# Allegro board controller_layout.brd (continued)
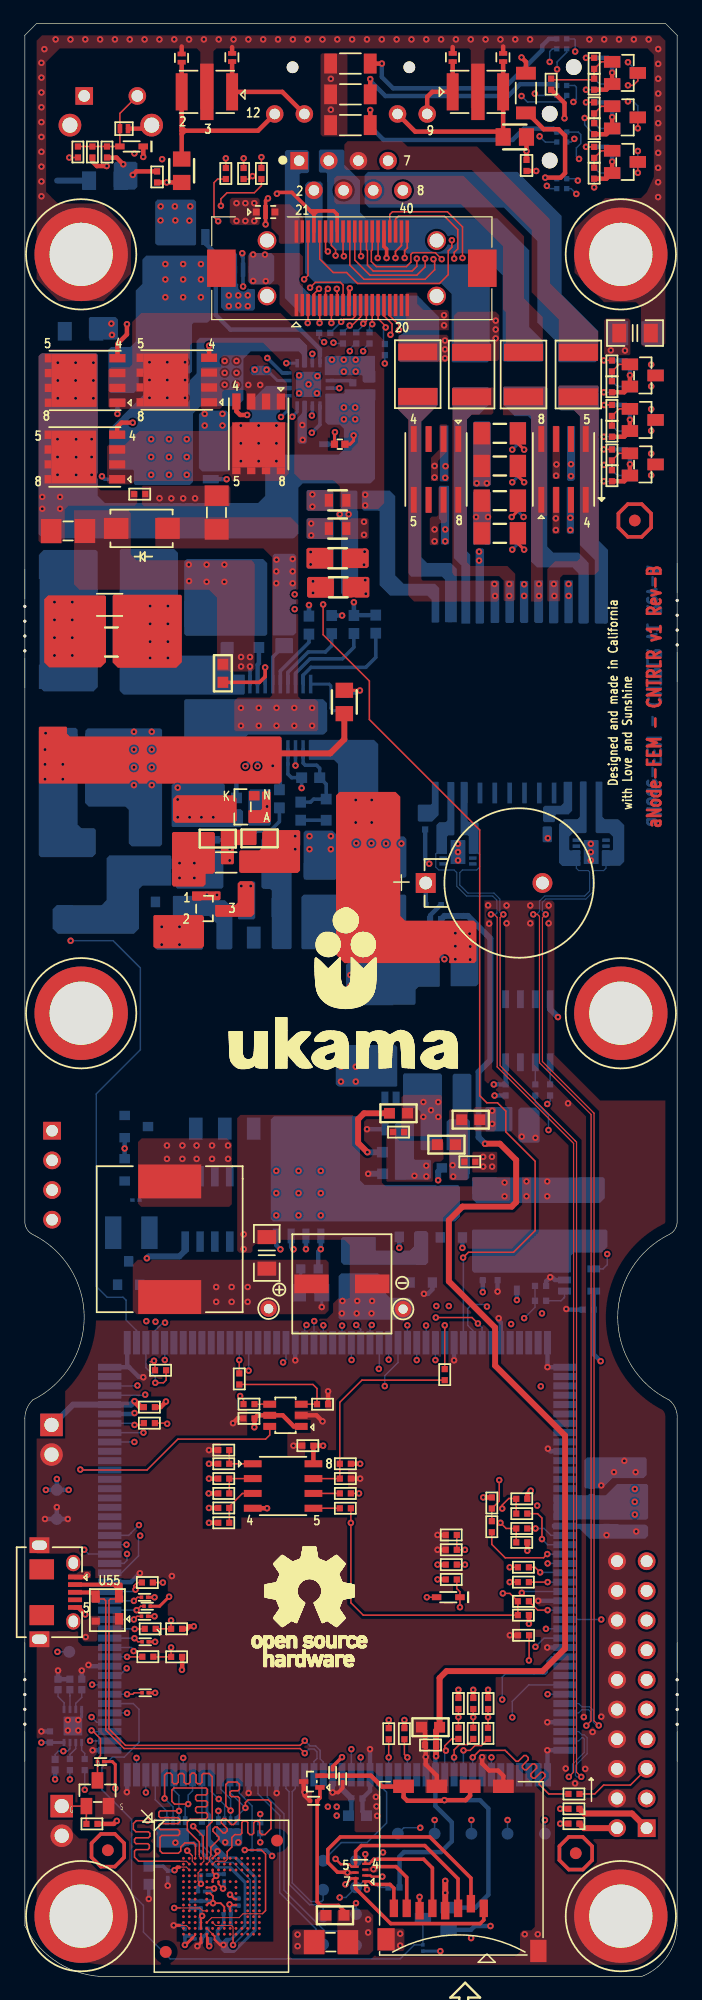
[diagram p0: board, top side]
## Nets (continued)
N17063605: R10800.2 U17.100(PA26)
N19998964: C58.1 C60.1 U7.C2(VDDI)
N20071633: R124.1 U15.5(SDA)
N20071656: R125.1 U15.6(SCL)
N20073323: D9.K J5.15 R67.2
N20073327: J5.17 R65.2
N20073333: J5.1 R93.1
N20073375: J5.2 R94.1
N20073427: J5.11 R77.1
N20073459: C17.1 J5.19 R64.1
N20187115: J1.26 R15.2
N20187119: J1.27 R16.2
N42831088: R66.2 U17.23(PD02)
N42831090: R68.2 U17.24(PD03)
N43233287: TP12.1(TP) U17.61(CLK_AUDIO)
N167577870: R140.1 U17.80(PA00)

Pads without a net: D8 N; D14 N; D15 N; D17 1 2; D18 N; D20 N; D21 N; D22 N; J1 18 19 PC1 PC2 PC3 PC4; J2 4; J5 3; NOREF 1; NOREF#2 1; NOREF#7 1; NOREF#10 1; NOREF#12 1; NOREF#13 1; T1 16 17 18 19 20 21; T2 3 8; U1 3 6; U2 3 6; U7 A1 A2 A7 A8 A9 A10 A11 A12 A13 A14 B1 B7 B8 B9 B10 B11 B12 B13 B14 C1 C3 C5 C7 C8 C9 C10 C11 C12 C13 C14 D1 D2 D3 D4 D12 D13 D14 E1 E2 E3 E5 E8 E9 E10 E12 E13 E14 F1 F2 F3 F10 F12 F13 F14 G1 G2 G3 G10 G12 G13 G14 H1 H2 H3 H5 H12 H13 H14 J1 J2 J3 J12 J13 J14 K1 K2 K3 K6 K7 K10 K12 K13 K14 L1 L2 L3 L12 L13 L14 M1 M2 M3 M7 M8 M9 M10 M11 M12 M13 M14 N1 N3 N6 N7 N8 N9 N10 N11 N12 N13 N14 P1 P2 P7 P8 P9 P10 P11 P12 P13 P14; U9 3 6; U10 3 6; U12 4 5 6 7; U13 4 5 6 7; U15 1 2 3 7; U17 2 3 4 5 6 7 8 9 11 12 13 14 33 34 44 45 46 47 48 57 59 113 114 115 116 117 118 120 121 129 135 136 137 138 139 140 141 142 145 146 147 150 151 153 155 170 172 173 174 175

## Via types
v1: diameter 0.559, hole 0.254, TOP to BOTTOM, 887 vias

## Routing (per net, layer and track width the routed paths; a pad name or vN(x,y) marks a point on that pad's centre or on a via; arc(x,y) is an arc through that point)
GND: length 192.4
  TOP w0.083: 13.26,4.39 13.26,4.39 13.84,4.39 U7.N2 ; v1(15.08,7.95) 14.84,8.19 14.84,8.89 U7.C4 ; 16.26,10.31 U7.A6 ; U7.N5 U7.P6
  TOP w0.127: 15.09,3.37 U7.P4
  TOP w0.152: v1(17.57,7.02) 17.96,6.64 U7.H10 ; v1(16.12,6.29) 16.12,6.89 15.88,7.13 U7.G5 ; v1(16.12,6.29) 15.74,6.29 U7.J5 ; v1(16.12,6.29) 16.77,6.29 17.09,5.98 U7.K8 ; 16.39,10.44 16.26,10.31 ; U7.E7 16.59,7.93 v1(16.98,7.54) ; 15.09,3.32 15.09,3.37 ; U7.P6 16.26,3.47 16.26,3.18
  TOP w0.198: v1(30.62,8.57) 29.7,8.57 29.61,8.66 U6.2
  TOP w0.203: 16.26,3.18 16.72,2.71 v1(17.01,2.71) ; 16.39,10.44 16.51,10.55 v1(16.51,10.74)
  TOP w0.254: v1(12.75,4.39) 13.26,4.39 ; v1(14.78,2.61) 15.09,2.92 15.09,3.32
  TOP w0.305: v1(30.99,147.17) 30.99,147.93 30.76,148.16 J1.36 ; 24.76,150.9 J1.24 ; 24.76,150.9 25.07,151.2 ; 24.76,150.9 24.46,151.2 ; 24.46,151.2 22.88,152.78 21.7,152.78 v1(21.59,152.67) ; 24.46,151.2 25.07,151.2 ; J1.10 27.79,143.17 27.79,144.53 v1(27.84,144.58) ; 25.07,151.2 26.46,151.2 26.76,150.9 J1.28 ; v1(26.36,15.77) 26.84,15.77 27.23,16.15 R91.1 ; v1(20.83,152.27) 20.62,152.07 C6.2 20.62,150.05 v1(20.62,150.04) ; CN1.6 v1(33.81,6.83)
  TOP w0.381: v1(50.31,155.42) Q3.S 49.82,153.96 R14.2 ; R26.2 51.34,128.05 Q10.S v1(51.83,129.51) ; v1(51.83,133.32) Q7.S 51.34,131.86 R21.2 ; U3.2 24.98,48.07 v1(25.5,47.55) ; R53.2 v1(15.75,41.38) ; C17.2 v1(35.35,37.82) ; v1(9.25,154.28) 9.55,154.59 C5.2 ; R8.2 49.82,157.77 Q2.S v1(50.31,159.23) ; C3.1 7.86,155.77 v1(8.43,155.19) ; U4.4 v1(20.75,40.11) ; C18.2 34.28,21.06 C19.2 34.34,19.77 v1(34.34,18.82) 34.34,18.16 35.29,17.2 CN1.11 ; R3.2 49.82,161.58 Q1.S v1(50.31,163.04) ; D5.2 10.56,158.24 S1.4 ; C20.2 23.97,15.52 v1(23.97,15.77) 23.88,15.86 D10.3 ; R48.2 v1(15.77,45.09) ; v1(5.17,31.01) 4.57,31.62 J2.5 ; R19.2 51.34,135.67 Q4.S v1(51.83,137.13) ; v1(17.83,47.39) 18.24,47.8 C15.1 ; C4.2 v1(43.81,154.62) ; C16.2 v1(23.01,45.47) ; R64.2 v1(35.35,36.55) ; R83.2 v1(38.41,24.56) ; R52.2 v1(28.72,42.65) ; v1(39.17,18.79) 39.17,18.25 39.77,17.65 40.54,17.65 40.99,17.19 CN1.12 ; R77.2 v1(41.55,29.23) ; R45.2 v1(25.98,50.12) ; R57.2 v1(15.77,40.13)
  L2-GND w0.762: J2.6 2.48,36.94 ; J2.7 2.76,28.89
  BOTTOM w0.254: v1(4.57,21.97) 4.59,21.97 4.86,22.25 U18.4
  BOTTOM w0.305: v1(14.78,2.61) 15.14,2.98 C70.2 15.14,3.26 15.64,3.76 C68.2 ; v1(17.57,7.02) 17.62,7.02 17.95,6.69 C63.2 ; C66.2 C67.2 16.51,3.94 C71.2 16.91,2.82 v1(17.01,2.71) ; C62.2 14.83,7.69 v1(15.08,7.95) C59.2 ; C58.2 v1(12.24,7.79) ; v1(16.98,7.54) 17.07,7.63 C61.2 ; v1(12.75,4.39) 13.41,4.39 C69.2 ; C60.2 v1(10.62,6.66) ; v1(18.7,144.73) 18.69,144.74 C23.2 18.69,147.22 18.63,147.29 v1(18.63,147.58) ; C65.2 C64.2 15.93,6.47 v1(16.12,6.29)
  BOTTOM w0.381: U17.43 44.77,19.38 v1(44.76,19.38) U17.42 ; v1(51.83,133.32) Q18.S 51.5,134.59 R104.2 ; C39.1 34.29,95.65 v1(34.65,95.3) ; C57.2 28.92,14.14 C56.2 29.57,15.91 U17.62 v1(29.57,19.48) ; 8.93,52.18 U17.130 ; 8.93,52.18 9.75,51.37 10.1,51.37 v1(10.15,51.32) ; 8.93,52.18 8.77,52.35 U17.131 ; U17.75 v1(19.17,15.73) ; v1(44.75,28.18) U17.31 ; v1(23.01,62.28) 22.81,62.48 M2.3 ; R131.2 44.66,59.54 v1(45.01,59.89) 45.06,59.84 45.22,59.84 45.41,59.65 U16.2 ; v1(34.19,58.47) 34.53,58.47 34.91,58.85 D21.A ; R97.2 49.97,160.5 Q13.S v1(50.31,159.23) ; U17.176 v1(44.77,52.19) 44.78,52.18 U17.1 ; U17.66 26.37,15.78 v1(26.36,15.77) ; v1(39.89,4.34) 38.54,4.34 38.21,4.01 Q54.S ; R135.2 R136.2 v1(2.84,26.21) ; D17.5 v1(29.31,72.56) ; U17.98 5.56,26.58 v1(5.45,26.69) ; v1(23.97,15.77) 23.97,15.77 U17.69 ; v1(50.31,155.42) Q14.S 49.97,156.69 R99.2 ; C48.1 v1(40.5,58.66) ; v1(51.83,137.13) Q16.S 51.5,138.4 R101.2 ; C44.2 v1(40.24,75.45) ; TP4.1 v1(3.68,39.19) ; TP4.1 v1(2.74,40.2) ; TP4.1 v1(1.72,39.19) ; v1(44.81,45.21) 45.03,44.98 U17.10 ; R134.2 v1(4.88,26.21) ; U17.166 v1(36.77,52.78) ; C49.1 46.44,57.11 v1(46.38,57.17) ; v1(40.59,56.38) 40.59,56.19 40.77,56 U17.171 ; v1(34.34,18.82) 34.34,17.32 U17.56 ; v1(50.31,163.04) Q12.S 49.97,164.31 R95.2 ; v1(8.74,15.8) 8.77,15.83 U17.88 ; U17.72 v1(21.57,15.72) ; v1(39.17,18.79) U17.50 ; C55.2 v1(1.42,21) ; U17.39 v1(44.76,21.78) ; v1(43.98,32.18) U17.26 ; v1(9.86,34.54) 9.09,33.78 U17.107 ; U17.89 v1(5.81,19.38) ; LED3.K 25.13,62.08 v1(25.35,62.29) M2.1 ; M2.2 v1(24.08,62.29) ; R107.2 51.5,130.78 Q21.S v1(51.83,129.51) ; U17.149 v1(23.17,52.78)
  BOTTOM w0.508: v1(45.67,82.17) 45,82.84 U15.4 ; R127.1 v1(29.41,68.75)
  vias: v1(3.68,21.97) v1(3.68,21.08) v1(4.57,21.08) v1(12.6,34.3) v1(18.75,63.56) v1(18.75,62.29) v1(27.08,77.91) v1(27.08,76.64) v1(27.21,57.86) v1(27.16,56.79) v1(28.35,77.91) v1(28.35,76.64) v1(28.43,56.79) v1(28.48,57.86) v1(29.75,57.86) v1(29.7,56.79) v1(30.07,15.39) v1(30.12,14.58) v1(30.18,13.77) v1(32.15,3.68) v1(32.15,2.66) v1(35.91,142.26) v1(35.91,141.4) v1(37.1,97.01) v1(37.1,96.3) v1(37.1,95.58) v1(39.69,91.73) v1(39.78,90.17) v1(41.09,68) v1(41.09,66.82) v1(41.27,91.72) v1(41.27,90.2) v1(42.57,71.93) v1(42.82,3.63) v1(42.97,68.09) v1(42.97,66.82) v1(43.3,91.72) v1(43.3,90.2) v1(43.74,71.83) v1(43.94,3.63) v1(44.8,97.49) v1(44.75,68.09) v1(44.75,66.82) v1(44.87,91.72) v1(44.87,90.2) v1(46.33,17.82) v1(46.53,74.78) v1(47.13,16.55) v1(47.88,22.23) v1(48.01,17.79) v1(48.48,97.01) v1(48.48,96.3) v1(48.48,95.58) v1(48.63,20.95) v1(49.38,42.06) v1(49.38,22.26) v1(49.83,37.81) v1(50.2,139.26) v1(50.47,43.2) v1(51.41,139.24) v1(51.36,44.17) v1(52.32,43.2) v1(52.37,38.12)
GND_SIGNAL: length 12.2
  BOTTOM w0.305: v1(23.71,101.78) C35.2 22.84,102.67 22.54,102.97 22.54,103.84 22.54,103.84 U11.4 ; v1(18.89,103.65) 19.29,104.05 U11.9 ; U11.8 v1(19.94,103.65)
  BOTTOM w0.381: v1(28.19,117.69) R113.1 28.21,116.59 R112.1 ; R115.1 v1(24.34,117.45) ; R114.1 v1(27.18,116.55)
  vias: v1(2.54,117.7) v1(2.54,116.18) v1(2.54,114.66) v1(2.54,113.13) v1(4.06,117.7) v1(4.06,116.18) v1(4.06,114.66) v1(4.06,113.13) v1(9.35,106.6) v1(9.35,105.08) v1(9.35,103.55) v1(9.35,102.03) v1(10.87,106.6) v1(10.87,105.08) v1(10.87,103.55) v1(10.87,102.03) v1(11.72,89.9) v1(11.72,88.37) v1(13.1,101.81) v1(13.1,100.8) v1(13.1,99.27) v1(13.25,89.9) v1(13.25,88.37) v1(14.11,99.27) v1(15.13,99.27) v1(16.14,99.27) v1(23.16,97.66) v1(23.16,96.54) v1(24.38,97.66) v1(24.38,96.54) v1(26.21,97.66) v1(26.21,96.54) v1(27.89,85.77) v1(27.87,84.79) v1(29.09,85.77) v1(29.09,84.79)
VDD_3V3: length 84.2
  TOP w0.127: U7.P3 14.59,3.54 14.37,3.32
  TOP w0.152: v1(15.19,5.2) 15.09,5.11 U7.M4 U7.N4 ; U7.K9 17.59,6.13 17.59,6.13 ; U7.F5 16.13,7.64 v1(16.21,7.55) ; U7.P5 15.59,3.38 15.64,3.32 ; 17.59,6.13 v1(17.54,6.18) ; 17.59,6.13 U7.J10 ; U7.C6 16.09,8.94 v1(16.4,8.63) 16.09,8.32 U7.E6
  TOP w0.254: v1(12.36,32.53) 11.54,31.72 R72.2 ; R81.2 v1(11.16,24.3) ; v1(13.71,2.71) 13.76,2.71 14.37,3.32 ; 15.64,3.32 15.64,2.76 v1(15.8,2.61) ; R78.2 v1(11.16,28.67) ; R74.2 v1(11.11,30.86) ; R10794.2 7.49,18.42 7.75,18.16 v1(7.75,16.13) ; R70.2 v1(11.11,32.48)
  TOP w0.305: v1(27.17,18.79) 26.36,17.99 R90.2
  TOP w0.381: R63.1 v1(43.04,36.47) ; R60.1 v1(15.77,38.86) ; v1(25.55,45.47) C16.1 U4.8 ; R73.1 v1(43.18,30.22) ; D6.K v1(10.14,155.82) ; R9.2 v1(42.97,156.31) 42.98,156.31 C4.1 ; v1(7.01,155.04) 6.17,155.04 5.79,155.42 R11.1 ; R51.1 v1(15.77,42.65) ; R55.1 43.04,41.32 v1(43.34,41.61) ; v1(12.09,49.25) 11.99,49.15 11.99,49.12 11.63,48.77 R46.1 ; R67.1 v1(35.35,34.01) ; R76.1 13.88,29.78 14.09,29.99 v1(14.47,29.99) ; R10795.1 7.62,13.08 v1(7.87,13.34) ; R82.1 v1(37.14,24.56) ; R13.2 v1(12.15,153.64) C5.1 ; R144.1 46.23,160.43 v1(46.23,159.13) ; v1(39.27,41.04) R56.1 ; R49.1 v1(15.77,43.92) ; v1(13.46,26.27) 13.46,26.29 13.48,26.3 R80.1 ; v1(19.66,47.04) 19.68,47.06 C15.2 19.94,48.07 U3.5 22.09,48.07 23.04,47.12 U3.1 ; R94.2 v1(45.86,13.1) ; R93.2 v1(45.86,14.37) ; R50.1 v1(28.72,43.92) ; R84.1 v1(39.68,24.56) ; R89.1 v1(32.52,21.98) ; R65.1 v1(35.35,35.28)
  BOTTOM w0.254: R10793.2 v1(35.59,2.18) ; U18.8 C55.1 1.43,20.05 v1(1.42,20.04)
  BOTTOM w0.305: C68.1 15.03,5.05 v1(15.19,5.2) 15.08,5.3 C64.1 C65.1 ; R142.1 14.48,11.43 13.88,11.43 ; C71.1 15.9,2.71 v1(15.8,2.61) ; v1(16.21,7.55) 15.95,7.29 C62.1 ; R143.1 20.67,10.84 v1(21.18,10.33) ; C61.1 16.56,8.78 v1(16.4,8.63) 16.32,8.71 C59.1 ; v1(13.71,2.71) C69.1 14.3,3.48 C70.1 ; C67.1 C66.1 17.64,5.74 17.54,5.85 v1(17.54,6.18) 17.64,6.08 C63.1
  BOTTOM w0.381: v1(2.74,42.62) 2.74,42.62 2.74,42.42 2.74,42.42 TP3.1 ; TP3.1 v1(3.76,41.68) ; TP3.1 v1(1.8,41.68) ; R137.1 v1(2.59,16.89) ; U16.5 C49.2 48.73,53.29 v1(49.32,52.7) ; C57.1 27.97,14.04 C56.1 ; v1(35.94,87.12) 35.66,87.4 D10119.1 ; D23.K v1(42.15,57.93) ; R130.1 v1(39.23,58.61) ; v1(40.17,76.4) C44.1 U15.8
  BOTTOM w0.508: C56.1 27.17,16.06 U17.65
  vias: v1(12.9,11.48) v1(17.17,11.5) v1(18.13,151.86) v1(18.13,150.34) v1(18.28,11.5) v1(18.89,151.86) v1(18.89,150.34) v1(19.66,151.86) v1(19.66,150.34) v1(23.36,3.6) v1(23.36,2.61) v1(25.96,14.55) v1(26.72,14.55) v1(26.72,13.79) v1(38.23,3.3) v1(52.24,40.66) v1(52.25,41.75) v1(52.25,39.57)
VDD_BU: length 112.7
  TOP w0.508: v1(39.42,71.32) 40.69,71.32 42.09,69.93 42.09,66.32 41.71,65.94 37.49,65.94 36.32,64.77 36.32,59.54 40.28,55.57 40.28,52.32 46.28,46.33 46.28,28.09 44.35,26.16 36.12,26.16 35.53,25.57 C18.1 35.23,21.06 C19.1 v1(35.23,18.87)
  BOTTOM w0.381: v1(35.23,18.87) 35.17,18.81 U17.55 35.17,14.61 36.58,13.21 36.58,11.59 35.65,10.66 32.48,10.66 32.1,10.28 R145.1
  BOTTOM w0.508: R10792.1 R10791.1 35.94,90.83 37.11,90.83 37.95,90.83 39.88,88.9 39.88,78.49 38.86,77.47 38.86,71.88 v1(39.42,71.32)
B2B_12V:
  vias: v1(19.56,147.46) v1(19.56,145.2) v1(20.57,147.46) v1(20.64,145.19)
BG12: length 39
  TOP w0.381: Q5.4 v1(15.79,139.66)
  L5-PWR w0.381: v1(15.79,139.66) 9.79,139.66 7.21,137.08 7.21,133.27 9.6,130.88 14.25,130.88 16.05,129.09 23.62,129.09 25.21,130.67 25.21,133.05 v1(24.59,133.68)
  BOTTOM w0.305: v1(24.59,133.68) 24.59,133.68 24.63,133.72 U8.14
BG36: length 13
  TOP w0.381: v1(19.05,133.73) 18.44,133.73 18.12,134.05 Q8.4
  L5-PWR w0.381: v1(19.05,133.73) 19.2,133.57 19.2,132.41 19.58,132.03 22.05,132.03 23.17,130.91 24.2,130.91 24.58,131.29 v1(24.58,132.2)
  BOTTOM w0.305: U8.13 25.28,132.9 v1(24.58,132.2)
BG45: length 18.4
  BOTTOM w0.305: U8.8 25.28,138.82
  BOTTOM w0.381: Q15.4 15.47,148.42 16.36,147.52 16.36,142.29 17.62,141.03 23.6,141.03 25.28,139.35 25.28,138.82
BG78: length 21.1
  L5-PWR w0.381: v1(24.63,138.96) 25.94,137.65 25.94,129.93 24.24,128.22 v1(17.28,128.22)
  BOTTOM w0.305: U8.7 v1(24.63,138.96)
  BOTTOM w0.381: Q19.4 v1(17.28,128.22)
CHASIS_GND: length 5.1
  TOP w0.381: D1.2 17.76,165.23 ; D4.2 13.44,165.28 ; D3.2 40.97,165.28 ; 11.51,165.87 v1(11.53,165.88) ; D2.2 36.65,165.23
  BOTTOM w0.508: C22.1 2.76,153.79
  vias: v1(1.42,163.88) v1(1.42,162.61) v1(1.42,161.34) v1(1.42,160.07) v1(1.42,158.8) v1(1.42,157.53) v1(1.42,156.26) v1(1.42,154.99) v1(1.42,153.72) v1(1.42,152.45) v1(1.68,165.05) v1(2.64,165.88) v1(3.91,165.88) v1(5.18,165.88) v1(6.45,165.88) v1(7.72,165.88) v1(8.99,165.88) v1(10.26,165.88) v1(12.8,165.88) v1(14.07,165.88) v1(15.34,165.88) v1(16.61,165.88) v1(17.88,165.88) v1(19.15,165.88) v1(20.42,165.88) v1(21.69,165.88) v1(22.96,165.88) v1(24.23,165.88) v1(25.5,165.88) v1(26.77,165.88) v1(28.04,165.88) v1(29.31,165.88) v1(30.58,165.88) v1(31.85,165.88) v1(33.12,165.88) v1(34.39,165.88) v1(35.66,165.88) v1(36.93,165.88) v1(38.2,165.88) v1(39.47,165.88) v1(40.74,165.88) v1(42.01,165.88) v1(43.28,165.88) v1(48.36,165.88) v1(49.63,165.88) v1(50.9,165.88) v1(52.17,165.88) v1(53.44,165.88) v1(54.25,154.89) v1(54.25,153.65) v1(54.25,152.38) v1(54.26,165.06) v1(54.26,163.79) v1(54.26,162.52) v1(54.26,161.25) v1(54.26,159.98) v1(54.26,158.71) v1(54.26,157.44) v1(54.26,156.17)
CONFIG_RST_SW: length 136.2
  TOP w0.127: R10.2 v1(3.81,155.77) ; v1(25.55,117.5) 25.55,114.91 29.51,110.95 29.51,107.65 38.96,98.2 38.96,75.44 39.57,74.83 40.49,74.83 41.2,74.12 41.2,72.34 43.71,69.82 43.71,63.88 41.86,62.03 38,62.03 v1(37.54,61.57)
  L4-SIG2 w0.119: v1(3.81,155.77) 3.81,154.46 4.59,153.67 9.26,153.67 9.99,152.95 9.99,149.24 10.93,148.3 15.35,148.3 17.82,145.82 21.71,145.82 22.25,145.29 22.25,142.09 25.23,139.11 25.23,138.2 26.31,137.11 26.31,135.83 26.75,135.39 29,135.39 29.36,135.03 29.36,130.28 25.55,126.47 v1(25.55,117.5)
  BOTTOM w0.127: U17.167 37.57,61.54 v1(37.54,61.57)
DATA1:
  vias: v1(10.68,138.24) v1(10.68,136.72) v1(10.68,135.19) v1(12.2,138.24) v1(12.2,136.72) v1(12.2,135.19) v1(13.73,138.24) v1(13.73,136.72) v1(13.73,135.19) v1(23.77,132.86) v1(23.8,131.59) v1(29.16,126.9) v1(29.16,125.98)
DATA2:
  vias: v1(18.5,132.82) v1(18.5,131.3) v1(18.5,129.77) v1(20.03,132.82) v1(20.03,131.3) v1(20.03,129.77) v1(21.55,132.82) v1(21.55,131.3) v1(21.55,129.77) v1(29.11,122.02) v1(29.06,120.9) v1(46.58,119.25) v1(46.58,118.23)
DBGU_RXD: length 94
  TOP w0.127: R66.1 v1(41.53,35.05)
  L3-SIG1 w0.119: v1(10.41,56.13) 10.41,55.13 10.08,54.8 10.08,52.31 10.58,51.82 16.1,51.82 17.89,53.6 29.72,53.6 30.56,54.44 32.4,54.44 33.53,55.57 33.53,59.03 34.19,59.69 44.3,59.69 45.87,58.12 46.23,58.12 47.55,56.8 47.55,37.28 44.35,34.09 42.5,34.09 v1(41.53,35.05)
  L4-SIG2 w0.119: J4.3 2.33,68.35 2.45,68.47 3.72,68.47 7.67,64.52 7.67,59.79 8.69,58.78 9.35,58.78 9.91,58.22 9.91,56.9 10.41,56.4 v1(10.41,56.13)
DBGU_TXD: length 97.5
  TOP w0.127: R68.1 v1(41.53,33.78)
  L3-SIG1 w0.119: v1(11.19,56.08) 11.19,55.28 10.46,54.55 10.46,52.43 10.71,52.18 15.96,52.18 17.73,53.95 29.44,53.95 31.34,55.85 31.34,58.78 33.07,60.5 45.72,60.5 47.87,58.35 47.87,35.32 45.67,33.12 44.25,33.12 43.99,33.38 41.94,33.38 v1(41.53,33.78)
  L4-SIG2 w0.119: J4.2 2.33,68.91 2.45,68.79 3.85,68.79 7.99,64.65 7.99,59.93 8.82,59.1 9.48,59.1 10.67,57.91 10.67,57.06 11.19,56.54 v1(11.19,56.08)
DISABLE_BOOT: length 9
  TOP w0.508: v1(9.4,49.28) 9.91,48.77 R46.2
  BOTTOM w0.508: JP1.1 2.39,47.24 4.13,48.98 U17.126 9.11,48.98 v1(9.4,49.28)
EEPROM_WP: length 18.6
  TOP w0.127: U4.7 R52.1 R50.2 26.98,49.18 28.88,51.08 R41.1
EMMC_CLK: length 16
  TOP w0.083: 17.84,3.33 17.84,4.24 17.69,4.38 16.34,4.38 U7.M6
  TOP w0.127: v1(17.84,2.71) 17.84,3.33
  BOTTOM w0.127: v1(17.84,2.71) 19.3,4.18 19.3,8.3 17.83,9.78 16.67,9.78 R142.2 R140.2
EMMC_CMD: length 19.7
  TOP w0.083: 20.37,5.41 20.34,5.38 18.69,5.38 18.36,5.05 16,5.05 U7.M5
  TOP w0.127: 20.37,5.41 20.62,5.66 20.62,10.49 20.27,10.84 v1(18.84,10.84)
  BOTTOM w0.127: U17.76 18.37,15.72 19.47,14.62 R143.2 v1(18.84,10.84)
EMMC_D0: length 20.5
  TOP w0.083: 14.61,10.44 14.61,10.16 U7.A3
  TOP w0.127: 14.61,10.44 14.61,11.3 14.46,11.45 13.71,11.45 13.36,11.1 13.36,10.77 13.16,10.57 11.79,10.57 11.58,10.77 11.58,11.93 11.74,12.09 13.13,12.09 13.26,12.22 13.26,12.47 13.13,12.59 11.6,12.59 11.48,12.72 11.48,12.98 11.6,13.1 13.13,13.1 13.26,13.23 13.26,13.48 13.13,13.61 11.6,13.61 11.48,13.74 11.48,14.07 11.6,14.19 v1(13.2,14.19)
  BOTTOM w0.127: U17.83 12.77,15.95 13.2,15.52 v1(13.2,14.19) NR2.7
EMMC_D1: length 21.2
  TOP w0.083: U7.A4 14.94,10.28 14.94,10.44
  TOP w0.127: v1(13.99,14.78) 12.82,14.78 12.6,15 12.6,15.98 12.77,16.15 15.52,16.15 15.64,16.03 15.64,15.69 15.52,15.57 14.75,15.57 14.63,15.44 14.63,15.19 14.75,15.06 15.52,15.06 15.64,14.93 15.64,14.68 15.52,14.55 14.75,14.55 14.63,14.42 14.63,14.17 14.75,14.04 15.52,14.04 15.64,13.92 15.64,13.64 15.49,13.48 14.17,13.48 13.92,13.23 13.92,12.55 14.94,11.52 14.94,10.44
  BOTTOM w0.127: NR2.8 13.74,14.53 v1(13.99,14.78) 13.99,15.54 14.37,15.92 U17.81
EMMC_D2: length 22.1
  TOP w0.083: 15.61,10.44 15.61,10.15 U7.A5
  TOP w0.127: v1(11.97,15.26) 11.97,17.24 12.15,17.42 12.48,17.42 12.64,17.27 12.64,16.65 12.76,16.52 13.02,16.52 13.14,16.65 13.14,17.27 13.27,17.4 13.52,17.4 13.65,17.27 13.65,16.65 13.78,16.52 14.03,16.52 14.16,16.65 14.16,17.27 14.32,17.42 14.51,17.42 14.67,17.27 14.67,16.65 14.79,16.52 15.05,16.52 15.18,16.65 15.18,17.27 15.3,17.4 15.78,17.4 16.05,17.12 16.05,13.28 15.61,12.84 15.61,10.44
  BOTTOM w0.127: U17.84 v1(11.97,15.26) 12.7,14.53 NR2.6
EMMC_D3: length 19.8
  TOP w0.083: U7.B2 13.84,9.88 13.26,9.88
  TOP w0.127: v1(10.51,13.36) 9.55,13.36 9.3,13.11 9.3,12.63 9.52,12.4 10.59,12.4 10.72,12.28 10.72,12.02 10.59,11.89 9.52,11.89 9.39,11.77 9.39,11.51 9.52,11.39 10.54,11.39 10.67,11.26 10.67,11.01 10.54,10.88 9.52,10.88 9.39,10.75 9.39,10.23 9.74,9.88 13.26,9.88
  BOTTOM w0.127: v1(10.51,13.36) NR2.5 12.16,14.16 11.17,15.16 U17.85
EMMC_D4: length 20.5
  TOP w0.083: 14.26,10.44 14.34,10.36 14.34,9.88 U7.B3
  TOP w0.127: v1(13.91,10.79) 14.26,10.44
  L3-SIG1 w0.119: v1(13.91,10.79) 13.51,11.19 13.51,13.48 13.76,13.74 16.13,13.74 v1(16.58,14.19) 15.85,14.93 15.85,15.97 15.46,16.36 14.62,16.36 14.42,16.16 14.42,15.66 14.3,15.54 14.06,15.54 13.94,15.66 13.94,16.21 13.82,16.33 13.58,16.33 13.46,16.21 13.46,15.66 13.34,15.54 13.1,15.54 12.98,15.66 12.98,16.16 12.78,16.36 10.96,16.36 v1(10.37,15.77)
  BOTTOM w0.127: v1(10.37,15.77) U17.86 ; NR1.5 v1(16.58,14.19)
EMMC_D5: length 21.6
  TOP w0.083: 15.27,10.44 15.27,10.3 15.34,10.24 15.34,9.88 U7.B4
  TOP w0.127: 15.27,10.44 15.27,12.02 v1(14.42,12.87)
  L3-SIG1 w0.119: v1(16.61,15.21) 16.61,16.02 16.79,16.21 18.1,16.21 18.34,15.97 18.34,12.67 17.93,12.26 17.31,12.26 17.19,12.38 17.19,13.09 17.07,13.21 16.83,13.21 16.72,13.09 16.72,12.43 16.54,12.26 16.36,12.26 16.24,12.38 16.24,13.09 16.12,13.21 15.88,13.21 15.76,13.09 15.76,12.43 15.59,12.26 15.03,12.26 v1(14.42,12.87)
  BOTTOM w0.127: U17.79 15.97,15.85 v1(16.61,15.21) 17.12,14.7 NR1.6
EMMC_D6: length 20.7
  TOP w0.083: 15.94,10.44 15.94,10.33 15.84,10.24 15.84,9.89 U7.B5
  TOP w0.127: 15.94,10.44 15.94,11.08 16.62,11.77 16.62,11.95 16.11,12.46 16.11,12.63 16.29,12.81 16.47,12.81 16.98,12.31 17.16,12.31 17.34,12.49 17.34,12.67 16.83,13.17 16.83,13.41 16.96,13.53 17.19,13.53 17.7,13.03 17.88,13.03 18.39,13.53 18.39,15.29 18.26,15.41 17.7,15.41 17.57,15.54 17.57,15.8 17.7,15.92 18.26,15.92 18.39,16.05 18.39,16.46 18.19,16.66 17.42,16.66 17.22,16.46 17.22,14.63 v1(17.62,14.22)
  BOTTOM w0.127: U17.78 16.77,16.07 17.62,15.21 v1(17.62,14.22) NR1.7
EMMC_D7: length 20.9
  TOP w0.083: U7.B6 16.34,9.88 17.19,9.88 17.34,10.03 17.34,10.36
  TOP w0.127: 17.34,10.36 17.34,10.71 17.73,11.1 17.73,11.91 17.98,12.16 18.46,12.16 18.59,12.29 18.59,13.2 18.72,13.33 18.97,13.33 19.1,13.2 19.1,12.34 19.28,12.16 19.48,12.16 19.61,12.29 19.61,13.18 19.73,13.31 19.99,13.31 20.11,13.18 20.11,12.34 20.29,12.16 20.57,12.16 21.08,12.67 21.08,14.9 20.85,15.14 19.13,15.14 18.89,14.91 v1(18.89,14.45)
  BOTTOM w0.127: U17.77 17.57,15.77 v1(18.89,14.45) 18.16,13.71 NR1.8
ETH_LED0: length 187.3
  TOP w0.381: D1.1 C1.1 22.05,161.39 J3.11
  L4-SIG2 w0.119: J3.11 25.15,158.29 29.06,158.29 31.45,160.68 41.38,160.68 42.32,159.74 42.32,149.33 44.65,146.99 44.65,142.4 46.18,140.87 51.82,140.87 53.14,139.55 53.14,137.77 54.71,136.2 54.71,94.39 44.67,84.35 44.67,79.54 49.68,74.52 49.68,63.65 48.07,62.04 48.07,56.73 47.24,55.91 47.24,49.48 43.99,46.23 43.99,42.28 45.41,40.86 45.41,40.03 48.46,36.98 48.46,32.56 45.82,29.92 45.82,25.22 v1(44.78,24.18)
  BOTTOM w0.127: v1(44.78,24.18) U17.36
GPIO_1: length 35.7
  L4-SIG2 w0.119: v1(33.87,12.75) 34.23,12.4 35.36,12.4 37.49,14.53 41.1,14.53 43.08,16.51 43.08,24.23 42.16,25.15 42.16,31.34 43.38,32.56 43.38,35.1 43.66,35.38 v1(44.78,35.38)
  BOTTOM w0.127: TP10.1 32.46,12.75 v1(33.87,12.75) ; v1(44.78,35.38) U17.22
GPIO_2: length 31.1
  L4-SIG2 w0.119: v1(35.1,13.41) 37.08,15.39 40.69,15.39 42.65,17.35 42.65,23.75 40.79,25.6 40.79,31.09 v1(42.57,32.87)
  BOTTOM w0.127: TP9.1 v1(35.1,13.41) ; v1(42.57,32.87) 42.69,32.98 U17.25
GPIO_3: length 34.8
  L4-SIG2 w0.119: v1(38.25,13.41) 39.47,12.19 47.35,12.19 48.62,13.46 48.62,19.25 46.58,21.29 46.58,27.79 v1(49.38,30.58)
  BOTTOM w0.127: U17.28 49.38,30.58 v1(49.38,30.58) ; TP8.1 v1(38.25,13.41)
GPIO_4: length 19.2
  L4-SIG2 w0.119: v1(44.55,13.41) 44.55,18.39 44.2,18.75 44.2,27.79 v1(43.74,28.25)
  BOTTOM w0.127: TP6.1 v1(44.55,13.41) ; v1(43.74,28.25) 44.48,28.98 U17.30
GPIO_5: length 22.8
  L4-SIG2 w0.119: v1(41.35,13.41) 42.21,13.41 43.84,15.04 43.84,24.18 42.62,25.4 42.62,28.85 43.69,29.92 44.5,29.92 v1(44.64,29.78)
  BOTTOM w0.127: U17.29 v1(44.64,29.78) ; TP7.1 v1(41.35,13.41)
GPIO_6: length 14.1
  L4-SIG2 w0.119: v1(5.09,36.56) 3.37,36.56 2.79,35.98 v1(2.79,27.81)
  BOTTOM w0.127: TP5.1 v1(2.79,27.81) ; U17.110 5.46,36.18 v1(5.09,36.56)
Net_1: length 1.9
  BOTTOM w0.127: v1(24.79,56.13) 24.77,56.11 24.77,54.28
Net_2: length 1.5
  BOTTOM w0.127: v1(27.99,52.8) 27.97,52.82 27.97,54.28
Net_3: length 1.6
  BOTTOM w0.127: v1(24.13,55.8) 23.97,55.64 23.97,54.28
Net_4: length 1.5
  BOTTOM w0.127: 11.97,54.28 11.99,54.26 v1(11.99,52.81)
PA_DISABLE: length 9.5
  TOP w0.127: U3.3 R45.1 25.03,50.36 24.68,50.71 R43.1
PA_EN_CNTRL: length 151.2
  TOP w0.127: J1.31 28.26,147 29.57,145.69 33.58,145.69 34.29,146.41 v1(34.29,147.12) ; v1(18.44,49.72) 18.73,49.43 R44.2
  L4-SIG2 w0.119: v1(34.29,147.12) 34.29,146.66 34.75,146.2 35.36,146.2 35.81,145.75 36.48,145.75 37.68,144.55 37.68,138.04 40.13,135.59 45.77,135.59 48.38,132.97 48.38,118.64 47.35,117.6 36.66,117.6 34.05,114.99 34.05,96.83 32.24,95.03 32.24,70.39 32.07,70.22 32.07,64.42 37.52,58.97 37.52,52.66 34.04,49.17 18.99,49.17 v1(18.44,49.72)
PG_LDO_3P3: length 157.6
  TOP w0.127: v1(33.58,147.12) 33.58,146.46 33.17,146.05 29.84,146.05 29.35,146.55 29.35,147.79 29.26,147.88 J1.33
  L4-SIG2 w0.119: v1(12.01,56) 12.01,53.96 15.68,50.29 18.85,50.29 19.61,49.53 32.66,49.53 37.17,54.04 37.17,58.72 31.38,64.51 31.38,70.51 31.86,70.99 31.86,95.21 33.27,96.62 33.27,114.81 38.23,119.76 39.37,119.76 39.83,120.21 45.92,120.21 48.03,122.33 48.03,132.05 45.21,134.87 39.98,134.87 37.25,137.6 37.25,143.73 35.87,145.12 34.66,145.12 33.58,146.2 v1(33.58,147.12)
  BOTTOM w0.127: v1(12.01,56) 11.83,56 11.17,55.34 U17.134
PG_LDO_5V: length 163.7
  TOP w0.127: J1.34 29.76,147.87 29.68,147.79 29.68,146.86 30.11,146.43 32.69,146.43 33.07,146.81 33.07,147.47 33.22,147.63 35.15,147.63 v1(35.71,147.07)
  L4-SIG2 w0.119: v1(10.31,49.84) 10.31,49.33 11.28,48.36 34.19,48.36 38.25,52.43 38.25,59.57 32.82,65 32.82,69.95 33.03,70.17 33.03,94.86 37.08,98.91 49,98.91 50.19,100.09 50.19,124.07 49.1,125.16 49.1,133.27 45.82,136.55 41.15,136.55 38.53,139.17 38.53,144.85 36.84,146.54 36.24,146.54 v1(35.71,147.07)
  BOTTOM w0.127: U17.127 10.26,49.78 v1(10.31,49.84)
PG_REG_5P7V: length 165.6
  TOP w0.127: v1(28.8,147.32) 28.76,147.36 J1.32
  L3-SIG1 w0.119: v1(9.4,48.26) 44.55,48.26 45.47,49.17 45.47,53.9 43.48,55.88 v1(41.66,55.88)
  L4-SIG2 w0.119: v1(28.8,147.32) 30.12,148.64 33.78,148.64 34.85,147.57 36.37,147.57 36.53,147.73 38.15,147.73 40.87,145 40.87,140.38 43.57,137.69 46.35,137.69 48.96,135.08 50.24,135.08 50.9,134.42 50.9,129.04 51.7,128.24 51.7,94.35 42.42,85.07 42.42,74.56 43.13,73.85 43.13,70.76 42.42,70.05 42.42,63.4 43.08,62.74 43.08,57.43 41.66,56.01 v1(41.66,55.88)
  BOTTOM w0.381: U17.125 9.32,48.18 v1(9.4,48.26)
PGA_PWR_DISABLE: length 154.3
  TOP w0.127: J1.25 25.26,147.08 26.42,145.92 27.56,145.92 28.5,144.98 35.51,144.98 36.27,145.75 36.27,147.78 36.58,148.09 v1(36.58,148.69)
  L3-SIG1 w0.119: v1(44.3,56.79) 43.84,57.26 40.56,57.26 40.17,56.87 37.97,56.87 35.26,54.15 33.81,54.15 33.3,53.64 30.36,53.64 28.61,51.89 v1(19.17,51.89)
  L4-SIG2 w0.119: v1(44.3,56.79) 44.3,63.09 45.57,64.36 45.57,74.98 42.77,77.78 42.77,84.95 52.06,94.23 52.06,128.41 51.26,129.21 51.26,134.87 47.85,138.28 44.09,138.28 41.5,140.87 41.5,144.98 37.8,148.69 v1(36.58,148.69)
  BOTTOM w0.127: v1(19.17,51.89) U17.144
PPD: length 6
  TOP w0.305: R33.1 20.1,110.83 20.59,111.31 v1(20.59,112.1)
  BOTTOM w0.305: U11.14 v1(20.59,112.1)
PROG_LED_B1: length 201.2
  L3-SIG1 w0.119: v1(8.73,26.4) 8.12,27.01 8.12,37.8 7.09,38.83 7.09,51.65 7.98,52.54 7.98,66.92 6.16,68.74 6.16,72.97 11.28,78.09 11.28,85.34 6.5,90.12 6.5,126.63 7.5,127.63 7.5,129.05 6.84,129.71 6.84,138.53 7.56,139.25 8.28,139.25 10.88,141.85 15,141.85 16.01,142.86 16.01,155.73 17.14,156.85 38.24,156.85 43.69,151.4 43.69,141.27 47.72,137.25 47.72,129.92 v1(49.59,128.05)